# Altium PCB FLoRa0.0.PcbDoc (part 1 of 2)
Units mm, origin at the board's own origin, x right, y up, seen from the top; angles counter-clockwise.
Board outline 112 x 37.06 mm, 4 copper layers (Top Layer, GND, 3V3, Bottom Layer), stack 1.803 mm thick; 75 components, 70 nets, 305 pads, 330 vias.
Unrouted connection lines stored in the file: 3.
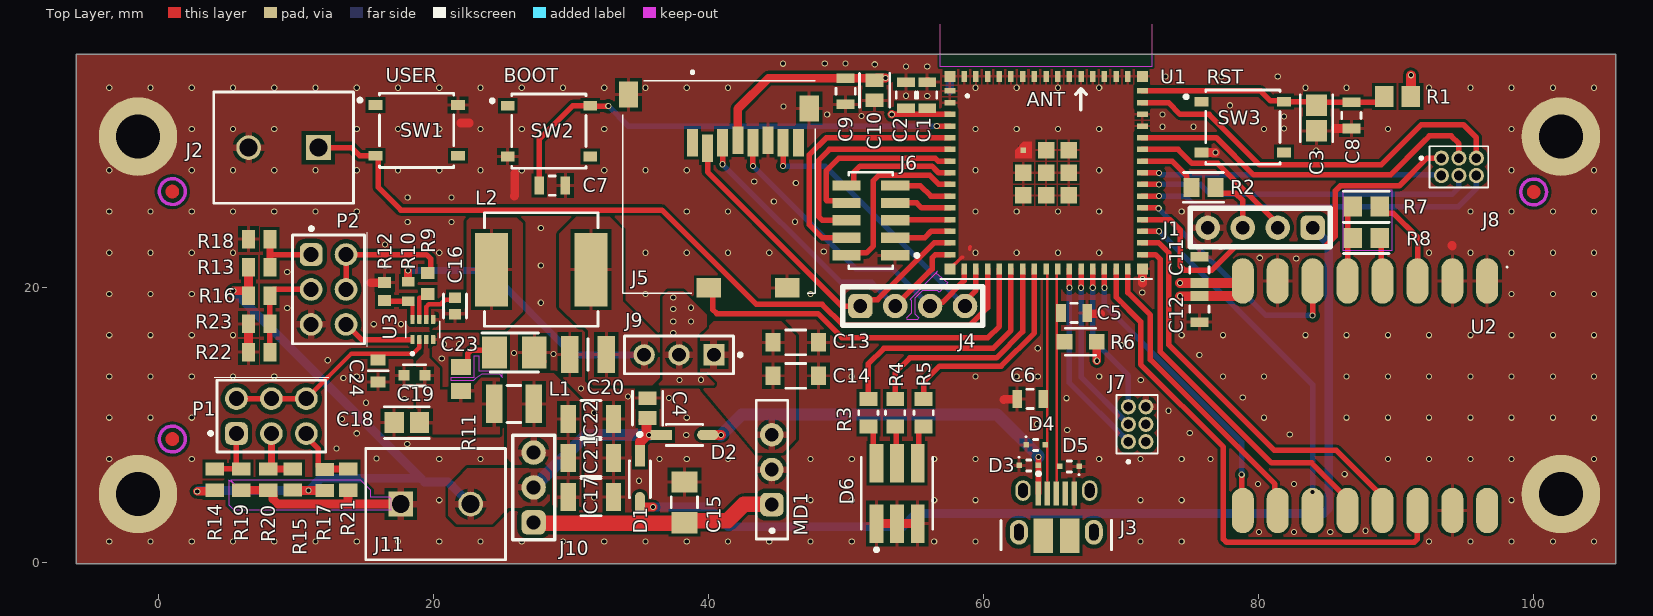
[diagram p0: Top Layer view]
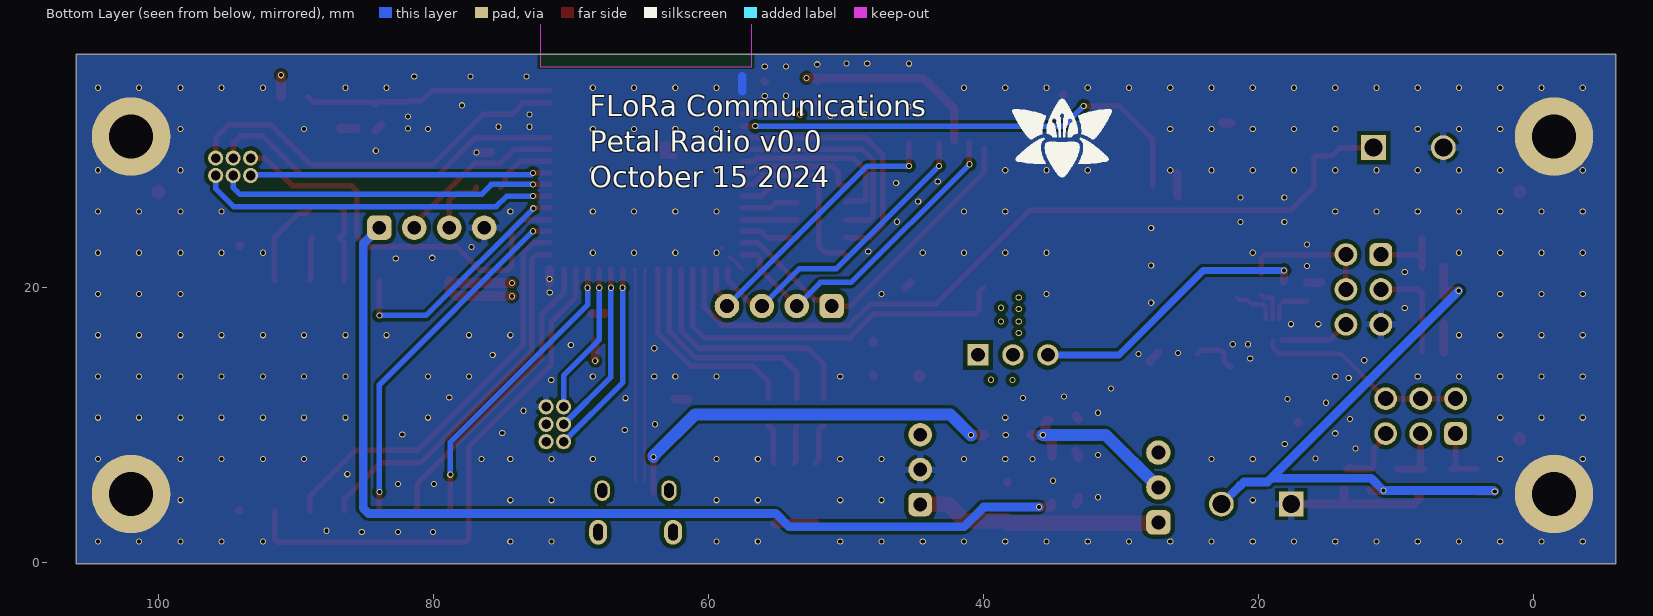
[diagram p1: Bottom Layer view, seen from below]
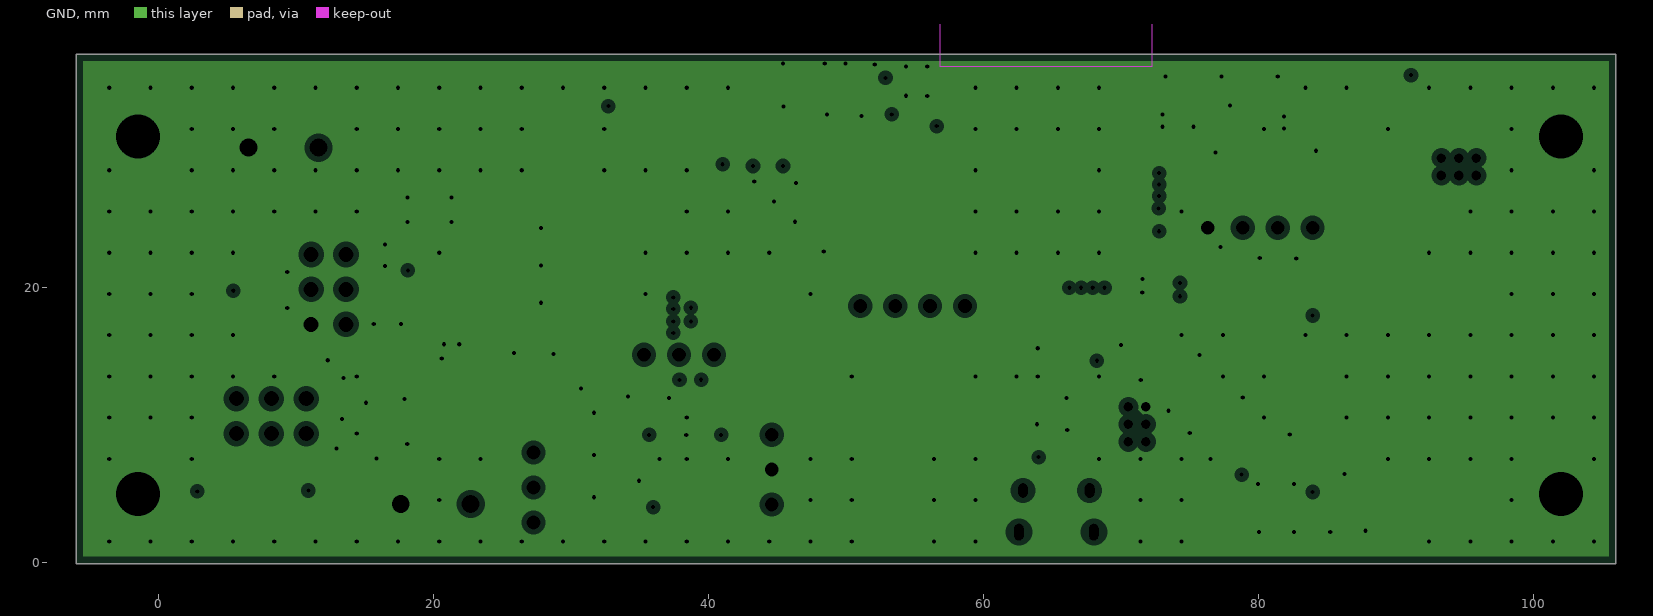
[diagram p2: GND, clearances drawn from the general rule]
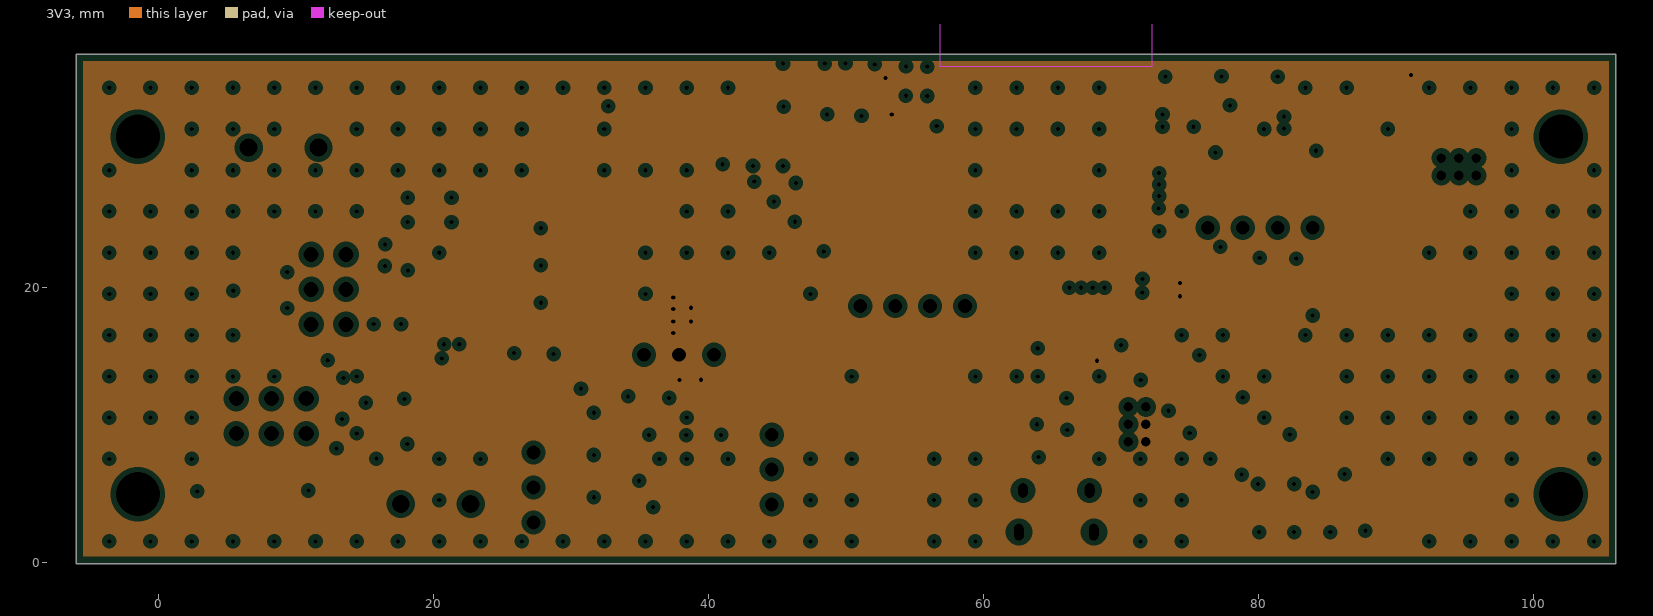
[diagram p3: 3V3, clearances drawn from the general rule]
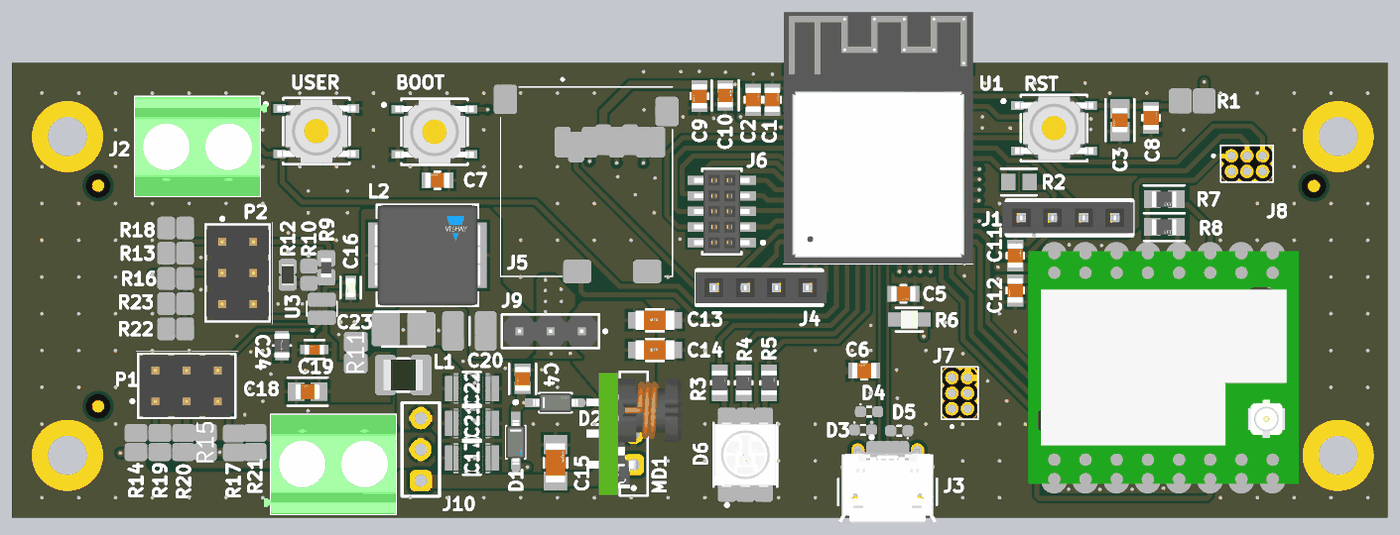
[diagram p5: 3D render of the assembled board from above, using the file's embedded part models]

## Layer stack, top to bottom
Top Solder: solder mask 0.0127, Solder Resist, Dk 3.3
Top Layer: signal copper 0.035
Dielectric 1: prepreg 0.0993, PP-024, Dk 4.05
GND: plane copper 0.018, net GND
Dielectric1: core 1.4986, FR-4, Dk 4.3
3V3: plane copper 0.018, net 3V3
Dielectric 2: prepreg 0.0993, PP-024, Dk 4.05
Bottom Layer: signal copper 0.035
Bottom Solder: solder mask 0.0127, Solder Resist, Dk 3.3

## Board outline
-6,-0.061 106,-0.061 106,37 -6,37

## Design rules (kind name [scope] priority, off if disabled: settings)
Clearance [All] p1: gap=0.203 ignorepadtopadclearanceinfootprint=TRUE except(0.102: Arc-Arc Arc-Track Track-Track; 0.15: Arc-SMDPad Arc-THPad Arc-Text Track-SMDPad Track-THPad Track-Text SMDPad-SMDPad SMDPad-Text THPad-Text Via-Text Fill-Text Poly-Text Region-Text Text-Text; 0.18: SMDPad-THPad THPad-THPad; 0.2: Arc-Via Track-Via SMDPad-Via THPad-Via Via-Via; 0.3: THPad-Fill THPad-Poly THPad-Region; 0.356: Arc-Hole Track-Hole SMDPad-Hole THPad-Hole Via-Hole Fill-Hole Poly-Hole Region-Hole Text-Hole)
ComponentClearance [All] p1: gap=0.127 collisioncheckmode=3 verticalgap=0.127 showdistances=FALSE
DiffPairsRouting DiffPair_DiffPairsRouting [InDifferentialPair ('D_DATA')] p1: maxlimit=0.533 minlimit=0.254 mostfreqgap=0.508 toplayer_mingap=0.483 toplayer_minwidth=0.179 toplayer_maxwidth=0.184 toplayer_prefwidth=0.181 bottomlayer_maxgap=0.254 bottomlayer_prefgap=0.254 bottomlayer_minwidth=0.381 bottomlayer_maxwidth=0.381 bottomlayer_prefwidth=0.381 maxuncoupledlength=12.7
DiffPairsRouting [All] p2: maxlimit=0.533 minlimit=0.483 mostfreqgap=0.508 toplayer_minwidth=0.179 toplayer_maxwidth=0.184 toplayer_prefwidth=0.181 bottomlayer_minwidth=0.179 bottomlayer_maxwidth=0.184 bottomlayer_prefwidth=0.181 maxuncoupledlength=12.7
HoleSize [All] p1: absolutevalues=TRUE maxlimit=6.3 minlimit=0.15 maxpercent=80.000 minpercent=20.000
HoleToHoleClearance [All] p1: gap=0.2 allowstackedmicrovias=FALSE
MatchedLengths DiffPair_MatchedLengths [InDifferentialPair ('D_DATA')] p1: tolerance=0.635 checknetsindiffpair=FALSE checkdiffpairvsdiffpair=TRUE checkxsignals=TRUE checkothers=TRUE
MinimumAnnularRing MinimumAnnularRingVIA [IsVia] p1: minimumring=0.075
MinimumAnnularRing [All] p2: minimumring=0.2
MinimumSolderMaskSliver [All] p1: minsoldermaskwidth=0.13
PasteMaskExpansion [All] p1: expansion=0.254
PlaneClearance [All] p1: clearance=0.381
PlaneConnect [All] p1: pad.planeconnectstyle=Relief pad.reliefexpansion=0.508 pad.reliefentries=4 pad.reliefconductorwidth=0.508 pad.reliefairgap=0.254 via.planeconnectstyle=Direct via.reliefexpansion=0.508 via.reliefentries=4 via.reliefconductorwidth=0.254 via.reliefairgap=0.254
PolygonConnect UnderPS [HasFootprint('SOFL50P160X60-8S') vs InNet('GND')] p1: thpad.connectstyle=Relief thpad.reliefconductorwidth=0.254 thpad.reliefentries=4 thpad.polygonreliefangle="90 Angle" thpad.airgapwidth=0.254 smdpad.connectstyle=Relief smdpad.reliefconductorwidth=0.2 smdpad.reliefentries=4 smdpad.polygonreliefangle="90 Angle" smdpad.airgapwidth=0.15 via.connectstyle=Relief via.reliefconductorwidth=0.254 via.reliefentries=4 via.polygonreliefangle="90 Angle" via.airgapwidth=0.254
PolygonConnect MountHoles [AsMM(HoleSize) = 3.2 vs InNet('GND')] p2: thpad.connectstyle=Direct thpad.reliefconductorwidth=0.254 thpad.reliefentries=4 thpad.polygonreliefangle="90 Angle" thpad.airgapwidth=0.254 smdpad.connectstyle=Relief smdpad.reliefconductorwidth=0.254 smdpad.reliefentries=4 smdpad.polygonreliefangle="90 Angle" smdpad.airgapwidth=0.254 via.connectstyle=Direct via.reliefconductorwidth=0.254 via.reliefentries=4 via.polygonreliefangle="90 Angle" via.airgapwidth=0.254
PolygonConnect UnderESP [HasFootprint('XCVR_ESP32-S3-MINI-1-N8') And OnLayer('Top Layer') vs InNet('GND')] p3: thpad.connectstyle=Relief thpad.reliefconductorwidth=0.254 thpad.reliefentries=4 thpad.polygonreliefangle="90 Angle" thpad.airgapwidth=0.254 smdpad.connectstyle=Relief smdpad.reliefconductorwidth=0.2 smdpad.reliefentries=4 smdpad.polygonreliefangle="90 Angle" smdpad.airgapwidth=0.15 via.connectstyle=Direct via.reliefconductorwidth=0.254 via.reliefentries=4 via.polygonreliefangle="90 Angle" via.airgapwidth=0.254
PolygonConnect PolygonConnectBasic [All] p4: thpad.connectstyle=Relief thpad.reliefconductorwidth=0.508 thpad.reliefentries=4 thpad.polygonreliefangle="90 Angle" thpad.airgapwidth=0.254 smdpad.connectstyle=Relief smdpad.reliefconductorwidth=0.254 smdpad.reliefentries=4 smdpad.polygonreliefangle="90 Angle" smdpad.airgapwidth=0.254 via.connectstyle=Direct via.reliefconductorwidth=0.254 via.reliefentries=4 via.polygonreliefangle="90 Angle" via.airgapwidth=0.254
RoutingLayers "RoutingLayers DIFF" [InNetClass('DIFF')] p1: top layer_v5=TRUE bottom layer_v5=FALSE
RoutingLayers "RoutingLayer COMMS" [InNetClass('COMMS')] p2: top layer_v5=TRUE bottom layer_v5=TRUE
RoutingPriority Analog [InNetClass('ANALOG')] p1: routingpriority=0
RoutingPriority Differential [InNetClass('DIFF')] p2: routingpriority=1
RoutingPriority "Single Ended Comms" [InNetClass('COMMS')] p3: routingpriority=2
RoutingPriority Digital [InNetClass('DIGITAL')] p4: routingpriority=3
RoutingPriority "Power Supply" [InNetClass('PWR_SUPPLY')] p5: routingpriority=4
RoutingPriority "Power Regulated" [InNetClass('PWR_REG')] p6: routingpriority=5
RoutingVias [All] p1: holewidth=0.3 width=0.45 viastyle="Through Hole" minholewidth=0.3 minwidth=0.45 maxholewidth=0.3 maxwidth=0.45
SilkToSilkClearance [All] p1: silktosilkclearance=0.076
SilkToSolderMaskClearance SilkscreenOverComponentPads [IsPad] p1: minsilkscreentomaskgap=0.15 clearancetoexposedcopper=TRUE
SolderMaskExpansion [All] p1: expansion=0.05 istentingtop=FALSE
SupplyNets "Schematic Supply Nets_3" [InNet('GND')] p1: voltage=0.000
SupplyNets "Schematic Supply Nets_2" [InNet('3V3')] p2: voltage=0.000
SupplyNets "Schematic Supply Nets_1" [InNet('V_SUPPLY')] p3: voltage=0.000
Width "Digital Width" [InNetClass('DIGITAL')] p1: maxlimit=0.762 minlimit=0.254 preferedwidth=0.4
Width "GND Trace Width" [InNet('GND')] p2: maxlimit=1.143 minlimit=0.254 preferedwidth=0.762
Width "Power Regulated Width" [InNetClass('PWR_REG')] p3: maxlimit=0.889 minlimit=0.4 preferedwidth=0.635
Width "Analog Width" [InNetClass('ANALOG')] p4: maxlimit=0.508 minlimit=0.254 preferedwidth=0.508
Width "Power Supply Width" [InNetClass('PWR_SUPPLY')] p5: maxlimit=1.143 minlimit=0.254 preferedwidth=0.889
Width "Comms Single Ended Width" [InNetClass('SPI')] p6: maxlimit=0.508 minlimit=0.254 preferedwidth=0.508
Width [All] p7: maxlimit=0.508 minlimit=0.149 preferedwidth=0.508
18 further rules are at their usual default settings.

## Classes and differential pairs
net class SPI: FSPI_CLK FSPI_MISO LoRa_NSS SD_CS SUBSPI_CLK SUBSPI_MISO SUBSPI_MOSI
net class PWR_SUPPLY: NetC15_1 NetC17_1 NetD1_2 NetD2_2 V_IN V_SUPPLY
net class PWR_REG: 3V3 NetC13_1 NetC20_2 SW_OUT
net class DIGITAL: ANT_SW B_LED CHIP_PU FSPI_MOSI G_LED GPIO0_BOOT GPIO1 GPIO2 GPIO3 GPIO4 GPIO5 GPIO6 GPIO7 GPIO8 GPIO9 GPIO21 GPIO26 GPIO38 GPIO40 GPIO41 GPIO42 GPIO45 GPIO46 GPIO47 LoRa_BUSY LoRa_IRQ LoRa_RESET NetJ1_3 R_LED RX_EN SD_CD TX_EN U0RXD U0TXD USER_SW V_PG
net class ANALOG: FB NetP1_1 NetP1_3 NetP1_5 PSU_EN
component class "Power Supply": C13 C14 C15 C16 C17 C18 C19 C20 C21 C22 C23 C24 J9 J10 J11 L1 L2 MD1 R9 R10 R11 R12 U3
component class MPU: C1 C2 C3 C4 C5 C6 C7 C8 C9 C10 D1 D2 D3 D4 D5 D6 J1 J2 J3 J4 J5 J6 J7 J8 R1 R2 R3 R4 R5 R6 SW1 SW2 SW3 U1
component class "LoRa Module": C11 C12 R7 R8 U2
component class "Battery Selection": P1 P2 R13 R14 R15 R16 R17 R18 R19 R20 R21 R22 R23
differential pair D_DATA: +DATA_P -DATA_N

## Components (designator, comment, footprint, x,y, rotation, side; value= is the part's Value field where it differs from the comment)
C1 "0.1uF" FP-GCM21B-0_15-MFG 55.907,34.013 r90 top
C2 "22uF" FP-GRM21B-0_15-MFG 54.356,34.013 r90 top
C3 "1uF" FP-GCJ219-0_3-IPC_A 84.224,32.347 r270 top
C4 "10uF" FP-GRM21B-0_15-IPC_C 35.569,11.246 r270 top
C5 "0.1uF" FP-GCM21B-0_15-MFG 66.589,18.179 r0 top
C6 "0.1uF" FP-GCM21B-0_15-MFG 63.397,11.913 r180 top
C7 "0.1uF" FP-GCM21B-0_15-MFG 28.633,27.44 r180 top
C8 "0.1uF" FP-GCM21B-0_15-MFG 86.764,32.535 r90 top
C9 "0.1uF" FP-GCM21B-0_15-MFG 49.974,34.297 r270 top
C10 "10uF" FP-GRM21B-0_15-IPC_C 52.075,34.365 r90 top
C11 "22uF" FP-GRM21B-0_15-MFG 75.7,21.3 r90 top
C12 "0.1uF" FP-GCM21B-0_15-MFG 75.7,18.45 r270 top
C13 "" FP-C3216-160-0_2-MFG 46.35,16.025 r0 top
C14 "" FP-C3216-160-0_2-MFG 46.35,13.603 r0 top
C15 "10 uF" FP-GRT31C-0_2-IPC_A 38.252,4.397 r90 top
C16 "0.1uF" FP-C0603C104Z4VACTU-MFG 21.561,18.682 r270 top
C17 "22uF" FP-GRM32-MFG 31.446,4.778 r0 top
C18 "10uF" FP-GRM21B-0_15-IPC_A 18.058,10.2 r180 top
C19 "100nF" FP-0603-L_1_6_0_15-W_0_81-MFG 18.616,13.634 r180 top
C20 "100uF" CAPC3225X270N 31.237,15.15 r0 top
C21 "22uF" FP-GRM32-MFG 31.45,7.621 r0 top
C22 "22uF" FP-GRM32-MFG 31.446,10.453 r0 top
C23 "4.7uF" CAPPM3528X120N 25.879,15.295 r0 top
C24 "ECH-U1H821JX5" FP-ECHUJ1-MFG 15.967,13.96 r270 top
D1 "1N5819HW-7-F" FP-SOD123-IPC_A 35.011,6.075 r270 top
D2 "1N5819HW-7-F" FP-SOD123-IPC_A 38.252,9.299 r0 top
D3 "ESD5B5.0ST1G" ONSC-SOD-523-2-502-01_C_V 63.292,7.078 r0 top
D4 "ESD5B5.0ST1G" ONSC-SOD-523-2-502-01_C_V 63.796,8.568 r0 top
D5 "ESD5B5.0ST1G" ONSC-SOD-523-2-502-01_C_V 66.25,7.008 r180 top
D6 "Red & Green & Blue, 120°" WL-SFTW_5050_150505M173300 53.716,5.05 r90 top
J1 "PPTC041LFBN-RC" SIP4-100mil 83.94,24.375 r270 top
J2 "1729128" PHOE-1729128-2_V 9.092,30.196 r180 top
J3 "10103594-0001LF" MICRO_USB2.0 65.3,3.615 r0 top
J4 "PPTC041LFBN-RC" SIP4-100mil 51.039,18.675 r90 top
J5 "MEM2061-01-188-00-A" MEM20610118800A 46.535,30.55 r180 top
J6 "20021321-00010C4LF" FP-20021321-00010C4LF-MFG 51.804,24.9 r90 top
J7 "20021311-00006T4LF" AMPHENOL_20021311-00006T4LF 71.175,10.075 r270 top
J8 "20021311-00006T4LF" AMPHENOL_20021311-00006T4LF 94.575,28.8 r180 top
J9 "PREC003SAAN-RC" FP-PREC003SAAN-RC-MFG 37.855,15.125 r180 top
J10 "3POS_MALECONN-2.54mm" SIP3-100mil 27.279,2.938 r180 top
J11 "1729128" PHOE-1729128-2_V 20.158,4.27 r0 top
L1 "2.2uH" WE-PMCI_1210_L3.2W2.5H1.2 25.85,11.55 r180 top
L2 "4.7uH" FP-IHLP-3232DZ-FP_2_413x5-MFG 27.831,21.325 r0 top
MD1 "TPSM84203EAB" FP-EAB0003A-MFG 45.131,6.778 r90 top
P1 "61300621121" 61300621121 8.204,10.666 r0 top
P2 "61300621121" 61300621121 12.364,19.882 r270 top
R1 "10K" RESC2013X70X40ML20T20 90.117,33.912 r0 top
R2 "499R" FP-ERJ6EN-IPC_B 76,27.3 r0 top
R3 "100R" FP-RNCP0805-MFG 51.633,10.917 r270 top
R4 "100R" FP-RNCP0805-MFG 53.579,10.917 r270 top
R5 "100R" FP-RNCP0805-MFG 55.642,10.913 r270 top
R6 "1.5K" FP-ERJ6EN-MFG 67.069,16.078 r0 top
R7 "RMCF0805FT100R" FP-RMCF0805-IPC_A 87.834,25.9 r0 top
R8 "RMCF0805FT100R" FP-RMCF0805-IPC_A 87.834,23.625 r0 top
R9 "100k" RESC1508X50N 19.576,20.304 r90 top
R10 "30.9K" RESC1608X55X25NL10T15 18.166,19.733 r90 top
R11 "ERJ-6RQFR47V" RESC2013X70X40NL20T20 21.984,13.373 r270 top value=470m
R12 "10k" RESC1609X50X30NL8T20 16.442,19.733 r270 top
R13 "ERJ6ENF2703V" RESC2013X70X40LL20T20 7.316,21.485 r180 top value=270k
R14 "ERJ6ENF2703V" RESC2013X70X40LL20T20 4.082,6.051 r270 top value=270k
R15 "ERJ-6ENF1073V" RESC2013X70X40LL20T20 9.749,6.053 r270 top value=107k
R16 "ERJ-6ENF1073V" RESC2013X70X40LL20T20 7.316,19.428 r180 top value=107k
R17 "ERJ-6ENF4023V" RESC2013X70X40LL20T20 12.088,6.017 r270 top value=402k
R18 "ERJ6ENF2703V" RESC2013X70X40LL20T20 7.316,23.541 r0 top value=270k
R19 "ERJ-6ENF5902V" RESC2013X70X40LL20T20 6.022,6.051 r90 top value=59k
R20 "ERJ-6ENF1182V" RESC2013X70X40LL20T20 7.962,6.051 r90 top value=11k8
R21 "ERJ-6ENF4022V" RESC2013X70X40LL20T20 13.783,6.051 r90 top value=40k2
R22 "ERJ-6ENF1073V" RESC2013X70X40LL20T20 7.316,15.316 r0 top value=107k
R23 "ERJ-6ENF1073V" RESC2013X70X40LL20T20 7.316,17.372 r0 top value=107k
SW1 "PTS526SK15SMTR2LFS" FP-PTS526SK15SMTR2LFS-MFG 18.775,31.449 r0 top
SW2 "PTS526SK15SMTR2LFS" FP-PTS526SK15SMTR2LFS-MFG 28.395,31.399 r0 top
SW3 "PTS526SK15SMTR2LFS" FP-PTS526SK15SMTR2LFS-MFG 78.86,31.695 r0 top
U1 "ESP32-S3-MINI-1-N8" XCVR_ESP32-S3-MINI-1-N8 64.55,28.365 r0 top
U2 "CORE-1262" WAVE-20855-Core1262 87.75,12.15 r270 top
U3 "TPS62933PDRLR" SOFL50P160X60-8S 19.216,16.967 r90 top

## Footprints (in the part's own frame and the unit in brackets; to place one, negate y for a bottom-side part, rotate by r counter-clockwise, add the part's x,y. Pads: shape width x height; smd on the part's side, far side on the other; paste and mask are expansions set on the pad)
61300621121 [mm] "Pin Header, pitch 2.54 mm, THT, Vertical, dual row, 6p"
  rrect50% 1.65x1.65 hole 1.1: 1(-2.54,-1.27)
  round 1.65 hole 1.1: 2(-2.54,1.27) 3(0,-1.27) 4(0,1.27) 5(2.54,-1.27) 6(2.54,1.27)
  silkscreen extent -4.54,-2.62 4.16,2.82, body extent -3.81,-2.54 3.81,2.54, height 8.59
AMPHENOL_20021311-00006T4LF [mm]
  round 1.1 hole 0.7: 1(1.27,-0.635) 2(1.27,0.635) 3(0,-0.635) 4(0,0.635) 5(-1.27,-0.635) 6(-1.27,0.635)
  silkscreen extent -2.13,-1.5 2.83,1.5
CAPC3225X270N [mm]
  rect 1.26x2.72 smd: 1(-1.33,0) 2(1.33,0)
  silkscreen extent 0,-1.15 0,1.15
CAPPM3528X120N [mm]
  rect 1.8x2.3 smd: 1(-1.45,0) 2(1.45,0)
  silkscreen extent -2.35,-1.43 1.75,1.43
FP-0603-L_1_6_0_15-W_0_81-MFG [mm]
  rect 0.8x0.75 smd paste+0 mask+0: 1(-0.75,0) 2(0.75,0)
  silkscreen extent -0.8,-0.77 0.8,0.77, body extent -1.25,-0.58 1.25,0.58, height 0.25
FP-20021321-00010C4LF-MFG [mm]
  rect 0.76x2.05 smd paste+0 mask+0: 1(-2.54,-1.775) 2(-2.54,1.775) 3(-1.27,-1.775) 4(-1.27,1.775) 5(0,-1.775) 6(0,1.775) 7(1.27,-1.775) 8(1.27,1.775) 9(2.54,-1.775) 10(2.54,1.775)
  silkscreen extent -3.5,-3.48 3.5,1.6, body extent -3.6,-2.9 3.6,2.9, height 0.25
FP-C0603C104Z4VACTU-MFG [mm]
  rect 0.75x0.9 smd paste+0 mask+0: 1(-0.6,0) 2(0.6,0)
  silkscreen extent -0.87,-0.83 0.87,0.83, body extent -1.2,-0.6 1.2,0.6, height 0.25
FP-C3216-160-0_2-MFG [mm]
  rect 1.1x1.35 smd paste+0 mask+0: 1(-1.65,0) 2(1.65,0)
  silkscreen extent -0.72,-0.9 0.72,0.9, body extent -2.3,-1 2.3,1, height 0.25
FP-EAB0003A-MFG [mm]
  rrect50% 1.71x1.71 hole 1 paste-2539.97 mask+0: 1(-2.54,0.525)
  round 1.71 hole 1 paste-2539.97 mask+0: 2(0,0.525) 3(2.54,0.525)
  silkscreen extent -5.05,-0.64 5.05,1.65, body extent -5.5,-4 5.5,5, height 0.25
FP-ECHUJ1-MFG [mm]
  rect 0.8x1.1 smd paste+0 mask+0: 1(-0.8,0) 2(0.8,0)
  silkscreen extent 0,-0.72 0,0.72, body extent -1.3,-0.82 1.3,0.82, height 0.25
FP-ERJ6EN-IPC_B [mm]
  rect 1.155x1.362 smd paste+0 mask+0: 1(-0.876,0) 2(0.876,0)
  silkscreen extent -1.45,-1.08 1.45,1.08
FP-ERJ6EN-MFG [mm]
  rect 1.15x1.15 smd paste+0 mask+0: 1(-1.175,0) 2(1.175,0)
  silkscreen extent -1.1,-0.97 1.1,0.97, body extent -1.85,-0.77 1.85,0.77, height 0.25
FP-GCJ219-0_3-IPC_A [mm]
  rect 1.553x1.556 smd paste+0 mask+0: 1(-0.925,0) 2(0.925,0)
  silkscreen extent -1.7,-1.18 1.7,1.18, body extent -2.2,-1.28 2.2,1.28, height 0.25
FP-GCM21B-0_15-MFG [mm]
  rect 0.7x1.3 smd paste+0 mask+0: 1(-0.95,0) 2(0.95,0)
  silkscreen extent -0.23,-0.7 0.23,0.7, body extent -1.4,-0.8 1.4,0.8, height 0.25
FP-GRM21B-0_15-IPC_A [mm]
  rect 1.406x1.508 smd paste+0 mask+0: 1(-0.926,0) 2(0.926,0)
  silkscreen extent -1.63,-1.15 1.63,1.15, body extent -2.13,-1.25 2.13,1.25, height 0.25
FP-GRM21B-0_15-IPC_C [mm]
  rect 1.006x1.308 smd paste+0 mask+0: 1(-0.726,0) 2(0.726,0)
  silkscreen extent -1.23,-1.1 1.23,1.1, body extent -1.33,-0.8 1.33,0.8, height 0.25
FP-GRM21B-0_15-MFG [mm]
  rect 0.7x1.3 smd paste+0 mask+0: 1(-0.95,0) 2(0.95,0)
  silkscreen extent -0.23,-0.7 0.23,0.7, body extent -1.4,-0.8 1.4,0.8, height 0.25
FP-GRM32-MFG [mm]
  rect 1.1x2.05 smd paste+0 mask+0: 1(-1.65,0) 2(1.65,0)
  silkscreen extent -0.72,-1.35 0.72,1.35, body extent -2.3,-1.45 2.3,1.45, height 0.25
FP-GRT31C-0_2-IPC_A [mm]
  rect 1.555x1.906 smd paste+0 mask+0: 1(-1.476,0) 2(1.476,0)
  silkscreen extent -0.4,-0.95 0.4,0.95, body extent -2.75,-1.45 2.75,1.45, height 0.25
FP-IHLP-3232DZ-FP_2_413x5-MFG [mil]
  rect 95x210 smd paste+0 mask+0: 1(-142.5,0) 2(142.5,0)
  silkscreen extent -163,-163 163,163, body extent -194,-166 194,166, height 10
FP-PREC003SAAN-RC-MFG [mm]
  rect 1.55x1.55 hole 1 paste-2539.97 mask+0: 1(-2.54,0)
  round 1.55 hole 1 paste-2539.97 mask+0: 2(0,0) 3(2.54,0)
  silkscreen extent -4.58,-1.37 3.96,1.37, body extent -4.06,-1.47 4.06,1.47, height 0.25
FP-PTS526SK15SMTR2LFS-MFG [mm]
  rect 1x0.7 smd paste+0 mask+0: 1(-3,1.85) 2(3,1.85) 3(-3,-1.85) 4(3,-1.85)
  silkscreen extent -4.25,-2.7 2.7,2.7, body extent -3.6,-2.8 3.6,2.8, height 0.25
FP-RMCF0805-IPC_A [mm]
  rect 1.355x1.462 smd paste+0 mask+0: 1(-0.976,0) 2(0.976,0)
  silkscreen extent -1.65,-1.13 1.65,1.13, body extent -2.15,-1.23 2.15,1.23, height 0.25
FP-RNCP0805-MFG [mm]
  rect 1x1.3 smd paste+0 mask+0: 1(-1,0) 2(1,0)
  silkscreen extent -0.13,-0.7 0.13,0.7, body extent -1.6,-0.8 1.6,0.8, height 0.25
FP-SOD123-IPC_A [mm]
  rect 1.557x0.742 smd paste+0 mask+0: 1(-1.7,0)
  rrect100% 1.557x0.742 smd paste+0 mask+0: 2(1.7,0)
  silkscreen extent -3.39,-0.77 1.33,0.77, body extent -2.98,-1.28 2.98,1.28, height 0.25
MEM20610118800A [mm]
  rect 1.8x1.4 smd: CD1(6.51,10.55) CD2(0.81,10.55)
  rect 1.4x1.9 smd: G1(12.36,-3.5) G2(-0.79,-2.5)
  rect 0.8x2 smd: P1(7.7,0) P2(6.6,0.4) P3(5.5,0) P4(4.4,-0.2) P5(3.3,0) P6(2.2,-0.2) P7(1.1,0) P8(0,0)
  silkscreen extent -1.24,-5.23 12.76,10.95
MICRO_USB2.0 [mm] "SMD, 5-Leads, Body 8.04x5.62mm, Pitch 0.65 mm"
  rect 0.4x1.75 smd: 1(-1.3,1.435) 2(-0.65,1.435) 3(0,1.435) 4(0.65,1.435) 5(1.3,1.435)
  oval 1.1x1.5 hole 0.7 slot 1.05 at 90 deg: 6(-2.425,1.64) 7(2.425,1.64)
  oval 1.3x1.8 hole 0.7 slot 1.2 at 90 deg: 8(2.725,-1.39) 9(-2.725,-1.39)
  rect 1.425x2.5 smd: 10(-0.962,-1.64) 11(0.962,-1.64)
  silkscreen extent -4.02,-2.66 4.01,2.98, body extent -4.02,-4.15 4.02,1.88, height 2.9
ONSC-SOD-523-2-502-01_C_V [mm] "SOD, 2-Leads, Body 1.2x0.8mm"
  rect 0.4x0.4 smd: 1(-0.7,0) 2(0.7,0)
  silkscreen extent -0.75,-0.4 0.15,0.65, body extent -0.6,-0.4 0.6,0.4, height 0.7
PHOE-1729128-2_V [mm] "Receptacle, 2-Leads, Body 8.1x10.16mm, Pitch 5.08mm"
  rect 1.8x1.8 hole 1.3: 1(-2.54,0)
  round 1.8 hole 1.3: 2(2.54,0)
  silkscreen extent -5.08,-4.05 5.08,4.05, body extent -5.65,-4.05 5.08,4.05, height 10.01
RESC1508X50N [mm]
  rect 0.86x0.98 smd: 1(-0.765,0) 2(0.765,0)
  body extent -0.77,-0.43 0.77,0.43, height 0.55
RESC1608X55X25NL10T15 [mm] "Chip Resistor, 2-Leads, Body 1.60x0.80mm, IPC Medium Density"
  rect 0.7x0.9 smd: 1(-0.7,0) 2(0.7,0)
  body extent -0.85,-0.45 0.85,0.45, height 0.55
RESC1609X50X30NL8T20 [mm] "Chip Resistor, 2-Leads, Body 1.65x0.95mm, IPC Medium Density"
  rect 0.8x0.95 smd: 1(-0.65,0) 2(0.65,0)
  body extent -0.82,-0.48 0.82,0.48, height 0.5
RESC2013X70X40LL20T20 [mm] "Chip Resistor, 2-Leads, Body 2.00x1.25mm, IPC High Density"
  rect 0.95x1.35 smd: 1(-0.775,0) 2(0.775,0)
  body extent -1.1,-0.72 1.1,0.72, height 0.7
RESC2013X70X40ML20T20 [mm] "Chip Resistor, 2-Leads, Body 2.00x1.25mm, IPC Low Density"
  rect 1.35x1.55 smd: 1(-0.975,0) 2(0.975,0)
  body extent -1.1,-0.72 1.1,0.72, height 0.7